# Altium PCB STM PCB.PcbDoc (part 1 of 3) (continued)
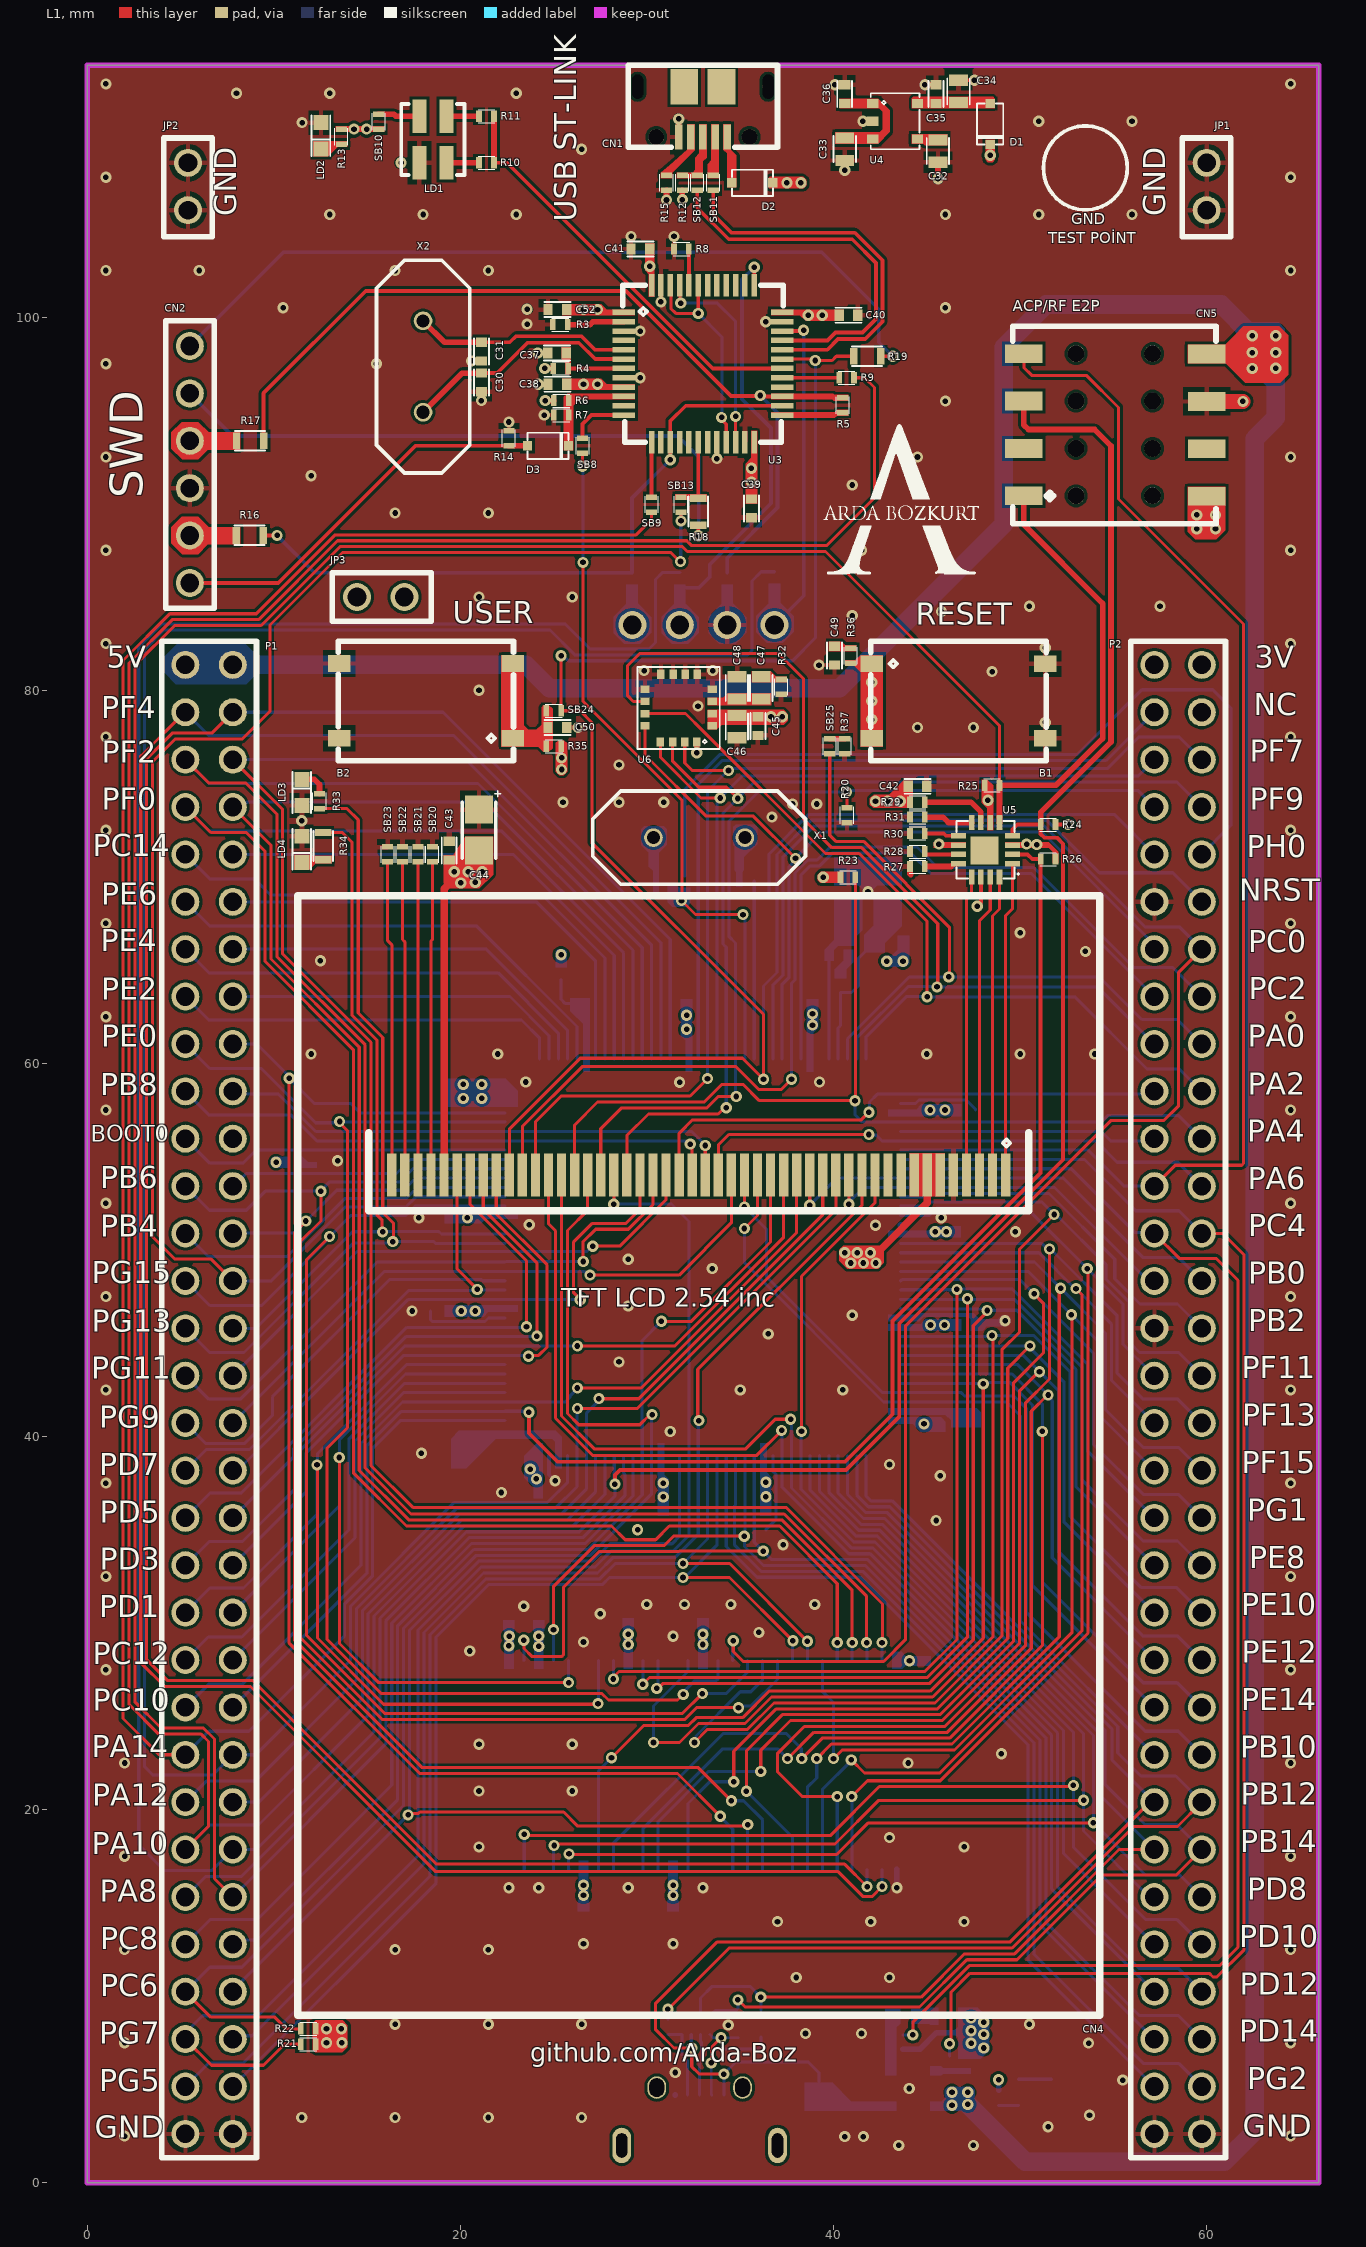
[diagram p0: L1 view]
## Classes and differential pairs
component class USB: C51 CN6 LD5 LD6 R38 R39 R40 R41 R42 R43 R44 SB26 SB27 SB28 T1 U7 U8
component class ST-LINK: C30 C31 C32 C33 C34 C35 C36 C37 C38 C39 C40 C41 C52 CN1 CN2 CN3 D1 D2 D3 HW1 HW2 HW3 HW4 HW5 JP1 JP2 JP3 LD1 LD2 R3 R4 R5 R6 R7 R8 R9 R10 R11 R12 R13 R14 R15 R16 R17 R18 R19 SB8 SB9 SB10 SB11 SB12 SB13 SB15 SB16 SB18 SB19 U3 U4 X2
component class MEMS: B1 B2 C45 C46 C47 C48 C49 C50 LD3 LD4 R32 R33 R34 R35 R36 R37 SB24 SB25 U6
component class MCU: C1 C2 C3 C4 C5 C6 C7 C8 C9 C10 C11 C12 C13 C14 C15 C16 C17 C18 C19 C20 C21 C22 L1 R1 R2 SB1 SB2 SB3 SB4 SB5 SB6 SB7 U1 X1
component class LCD: C42 C43 C44 CN4 R20 R21 R22 R23 R24 R25 R26 R27 R28 R29 R30 R31 SB20 SB21 SB22 SB23 U5
net class PH[0..2]: PH0 PH1 PH2
net class PG[0..15]: A10 A11 B3 B4 G3 PG2 PG3 PG4 PG5 PG6 PG7 PG8 PG9 PG13 PG14 PG15
net class PF[0..15]: A0 A1 A2 A3 A4 A5 A6 A7 A8 A9 PF6 PF7 PF8 PF9 PF10 PF11
net class PE[0..15]: D4 D5 D6 D7 D8 D9 D10 D11 D12 PE0 PE1 PE2 PE3 PE4 PE5 PE6
net class PD[0..15]: B2 D0 D1 D2 D3 D13 D14 D15 G7 PD2 PD4 PD5 PD7 PD11 PD12 PD13
net class PC[0..15]: G6 PC0 PC1 PC2 PC3 PC4 PC5 PC6 PC8 PC9 PC10 PC11 PC12 PC13 PC14 PC15
net class PB[0..15]: B6 B7 G4 G5 PB0 PB1 PB2 PB3 PB4 PB5 PB6 PB7 PB12 PB13 PB14 PB15
net class PA[0..15]: B5 G2 PA0 PA1 PA2 PA4 PA5 PA7 PA8 PA9 PA10 PA11 PA12 PA13 PA14 PA15
net class IM[0..3]: PD2 PD4 PD5 PD7
net class G[0..7]: G0 G1 G2 G3 G4 G5 G6 G7
net class D[0..15]: D0 D1 D2 D3 D4 D5 D6 D7 D8 D9 D10 D11 D12 D13 D14 D15
net class B[0..7]: B0 B1 B2 B3 B4 B5 B6 B7
net class A[0..11]: A0 A1 A2 A3 A4 A5 A6 A7 A8 A9 A10 A11
component class TOP: P1 P2
component class SDRAM: C23 C24 C25 C26 C27 C28 C29 U2

## Components (designator, comment, footprint, x,y, rotation, side; value= is the part's Value field where it differs from the comment)
B1 "KSC721G LFS" BLUE_BUTTON 46.7,79.425 r0 top
B2 "KSC321GLFS" BLACK_BUTTOM 18.15,79.43 r180 top
C1 "TAJA105K016RNJ" CAP-TANT 42.9,69.2 r270 bottom value=1uF
C2 "CC0402KRX7R7BB104" CAP-0402 40.375,64.3 r270 bottom value=100nF
C3 "TAJA105K016RNJ" CAP-TANT 40.8,69.2 r90 bottom value=1uF
C4 "CC0402KRX7R7BB104" CAP-0402 40.275,65.8 r0 bottom value=100nF
C5 "CC0402JRNPO9BN200" CAP-0402 30.85,70.85 r0 bottom value=20pF
C6 "CC0402KRX7R7BB104" CAP-0402 18.9,58.875 r0 bottom value=100nF
C7 "CC0402KRX7R7BB104" CAP-0402 18.9,57.975 r0 bottom value=100nF
C8 "CC0402KRX7R7BB104" CAP-0402 23.675,37 r0 bottom value=100nF
C9 "CC0402KRX7R7BB104" CAP-0402 30.875,35.5 r90 bottom value=100nF
C10 "CC0402KRX7R7BB104" CAP-0402 45.7,40 r90 bottom value=100nF
C11 "CC0402KRX7R7BB104" CAP-0402 47.075,50.975 r180 bottom value=100nF
C12 "CC0402KRX7R7BB104" CAP-0402 32.125,63.7 r270 bottom value=100nF
C13 "CC0402KRX7R7BB104" CAP-0402 47.1,57.5 r180 bottom value=100nF
C14 "CC0402KRX7R7BB104" CAP-0402 18.9,51.725 r0 bottom value=100nF
C15 "CC0402KRX7R7BB104" CAP-0402 18.9,46.725 r0 bottom value=100nF
C16 "CC0402KRX7R7BB104" CAP-0402 36.375,35.5 r90 bottom value=100nF
C17 "CC0402KRX7R7BB104" CAP-0402 47.1,45.975 r180 bottom value=100nF
C18 "CC0402KRX7R7BB104" CAP-0402 38.875,63.7 r270 bottom value=100nF
C19 "CC0402JRNPO9BN200" CAP-0402 35.45,70.65 r0 bottom value=20pF
C20 "CC0603KRX5R8BB105" CAP-0603 26.4,63.8 r270 bottom value=1uF
C21 "CC1206KKX7R7BB225" CAP-1206 47.1,39.4 r90 bottom value=2.2uF
C22 "CC1206KKX7R7BB225" CAP-1206 18.425,39.1 r0 bottom value=2.2uF
C23 "CC0402KRX7R7BB104" CAP-0402 31.4,14.3 r90 bottom value=100nF
C24 "CC0402KRX7R7BB104" CAP-0402 26.6,14.3 r90 bottom value=100nF
C25 "CC0402KRX7R7BB104" CAP-0402 44.9,27.475 r90 bottom value=100nF
C26 "CC0402KRX7R7BB104" CAP-0402 29,30.5 r270 bottom value=100nF
C27 "CC0402KRX7R7BB104" CAP-0402 33,30.5 r270 bottom value=100nF
C28 "CC0402KRX7R7BB104" CAP-0402 24.2,30.4 r270 bottom value=100nF
C29 "CC0402KRX7R7BB104" CAP-0402 22.6,30.4 r270 bottom value=100nF
C30 "CC0402JRNPO9BN200" CAP-0402 21.125,96.5 r270 top value=20pF
C31 "CC0402JRNPO9BN200" CAP-0402 21.125,98.15 r270 top value=20pF
C32 "CC0603KRX7R9BB103" CAP-0603 45.6,108.9 r270 top value=10nF
C33 "CC0603KRX5R8BB105" CAP-0603 40.6,109 r90 top value=1uF
C34 "CC0603KRX5R8BB105" CAP-0603 46.7,112.1 r270 top value=1uF
C35 "CC0402KRX7R7BB104" CAP-0402 45.5,111.95 r270 top value=100nF
C36 "CC0402KRX7R7BB104" CAP-0402 40.6,111.95 r270 top value=100nF
C37 "CC0402KRX7R7BB104" CAP-0402 25.175,98.075 r0 top value=100nF
C38 "CC0402KRX7R7BB104" CAP-0402 25.2,96.4 r0 top value=100nF
C39 "CC0402KRX7R7BB104" CAP-0402 35.6,89.75 r90 top value=100nF
C40 "CC0402KRX7R7BB104" CAP-0402 40.8,100.1 r180 top value=100nF
C41 "CC0402KRX7R7BB104" CAP-0402 29.65,103.65 r0 top value=100nF
C42 "CC0402KRX7R7BB104" CAP-0402 44.5,74.85 r180 top value=100nF
C43 "CC0402KRX7R7BB104" CAP-0402 19.4,71.4 r270 top value=100nF
C44 "TCJK475M010R0300" CAP-TANT 21,72.5 r270 top value=4.7uF
C45 "CC0402KRX7R7BB104" CAP-0402 35.95,78.075 r90 top value=100nF
C46 "CL10A106KP8NNNC" CAP-0603 34.825,78.05 r90 top value=10uF
C47 "CC0603KRX7R7BB474" CAP-0603 36.125,80.125 r270 top value=470nF
C48 "CL10A106KP8NNNC" CAP-0603 34.825,80.125 r270 top value=10uF
C49 "CC0402KRX7R7BB104" CAP-0402 40.05,81.85 r90 top value=100nF
C50 "CC0402KRX7R7BB104" CAP-0402 25.2,78 r180 top value=100nF
C51 "TCJK475M010R0300" CAP-TANT 39.225,3.5 r270 bottom value=4.7uF
C52 "CC0402KRX7R7BB104" CAP-0402 25.2,100.4 r0 top value=100nF
CN1 "1050170001" "USB MİCRO B" 33,111 r180 top
CN2 "TS-106-G-A" CONN-6POS 5.5,92.1 r90 top
CN3 "61300411121" CONN-4POS 33.03,83.5 r0 bottom
CN4 "FRD240C48003-B" "LED 2.54 INCH" 32.775,54.025 r180 top
CN5 "SSM-104-L-DH" CONN-2*8 55.1,94.22 r90 top
CN6 "0475900001" "USB MİCRO A" 32.825,3.55 r180 bottom
D1 "BAT60JFILM" SOD-323 48.4,110.35 r90 top
D2 "BAT60JFILM" SOD-323 35.65,107.2 r180 top
D3 "BAT60JFILM" SOD-323 24.7,93.1 r180 top
HW1 "MNT-101-BK-G" SHUNT -9,8 r90 top
HW2 "MNT-101-BK-G" SHUNT -6.2,8 r90 top
HW3 "MNT-101-BK-G" SHUNT -3.4,8 r90 top
HW4 "MNT-101-BK-G" SHUNT -7.5,2.4 r90 top
HW5 "MNT-101-BK-G" SHUNT -4.7,2.4 r90 top
JP1 "61300211121" CONN-2PİNS 60,107 r90 top
JP2 "61300211121" CONN-2PİNS 5.4,107 r90 top
JP3 "61300211121" CONN-2PİNS 15.73,85 r180 top
L1 "FCM 1608KF-301T05" FB-0603 43.1,66.4 r180 bottom
LD1 "67-22SURSYGC/S530-A2/TR8" LED-RED-GREEN-SMD 18.525,109.52 r270 top
LD2 "150060RS75000" LED-RED-0603 12.525,109.72 r90 top
LD3 "150060VS75000" LED-GREEN-0603 11.5,74.525 r270 top
LD4 "150060RS75000" LED-RED-0603 11.5,71.475 r90 top
LD5 "150060RS75000" LED-RED-0603 43.875,8.925 r180 bottom
LD6 "150060VS75000" LED-GREEN-0603 49.925,4.85 r90 bottom
P1 "TSW-132-24-T-D" CONN-2*32POS 6.53,41.99 r270 top
P2 "TSW-132-24-T-D" CONN-2*32POS 58.47,41.99 r270 top
R1 "RC0402FR-07510KL" RES-0402 12.025,54.95 r90 bottom value=510kR
R2 "RC0402FR-07220RL" RES-0402 35.35,69.775 r180 bottom value=220R
R3 "RC0402FR-0710KL" RES-0402 25.35,99.6 r0 top value=10kR
R4 "RC0402FR-07100KL" RES-0402 25.375,97.25 r180 top value=100kR
R5 "RC0402FR-07100RL" RES-0402 40.5,95.275 r270 top value=100R
R6 "RC0402FR-074K7L" RES-0402 25.4,95.525 r0 top value=4.7kR
R7 "RC0402FR-074K7L" RES-0402 25.4,94.75 r0 top value=4.7kR
R8 "RC0402FR-07100KL" RES-0402 31.85,103.65 r180 top value=100kR
R9 "RC0402FR-07100RL" RES-0402 40.7,96.75 r0 top value=100R
R10 "RC0402FR-07100RL" RES-0402 21.4,108.27 r180 top value=100R
R11 "RC0402FR-07100RL" RES-0402 21.4,110.77 r180 top value=100R
R12 "RC0402FR-071K5L" RES-0402 31.9,107.2 r270 top value=1.5kR
R13 "RC0402FR-071KL" RES-0402 13.625,109.67 r90 top value=1kR
R14 "RC0402FR-0710KL" RES-0402 22.6,93.5 r90 top value=10kR
R15 "RC0402FR-07100KL" RES-0402 31.05,107.2 r270 top value=100kR
R16 "RC0603FR-0722RL" RES-0603 8.7,88.3 r0 top value=22R
R17 "RC0603FR-0722RL" RES-0603 8.725,93.37 r0 top value=22R
R18 "RC0603FR-0722RL" RES-0603 32.75,89.575 r90 top value=22R
R19 "RC0603FR-0722RL" RES-0603 41.8,97.9 r180 top value=22R
R20 "RC0402FR-074K7L" RES-0402 40.725,73.3 r90 top value=4.7kR
R21 "RC0402FR-074K7L" RES-0402 11.85,7.425 r180 top value=4.7kR
R22 "RC0402FR-074K7L" RES-0402 11.85,8.25 r180 top value=4.7kR
R23 "RC0402FR-074K7L" RES-0402 40.775,69.975 r0 top value=4.7kR
R24 "RC0402FR-074K7L" RES-0402 51.5,72.8 r0 top value=4.7kR
R25 "RC0402FR-074K7L" RES-0402 48.5,74.9 r180 top value=4.7kR
R26 "RC0402FR-074K7L" RES-0402 51.5,70.95 r0 top value=4.7kR
R27 "RC0402FR-07100KL" RES-0402 44.5,70.55 r180 top value=100kR
R28 "RC0402FR-07100KL" RES-0402 44.5,71.35 r180 top value=100kR
R29 "RC0402FR-074K7L" RES-0402 44.5,74 r0 top value=4.7kR
R30 "RC0402FR-07100KL" RES-0402 44.5,72.325 r180 top value=100kR
R31 "RC0402FR-07100KL" RES-0402 44.5,73.2 r180 top value=100kR
R32 "RC0402FR-0710KL" RES-0402 37.2,80.175 r90 top value=10kR
R33 "RC0402FR-07510KL" RES-0402 12.45,74.05 r90 top value=510R
R34 "RC0603FR-07680RL" RES-0603 12.65,71.65 r270 top value=680R
R35 "RC0402FR-07100KL" RES-0402 25,77 r0 top value=100kR
R36 "RC0402FR-07100RL" RES-0402 40.925,81.85 r270 top value=100R
R37 "RC0402FR-07330RL" RES-0402 40.6,77 r270 top value=330R
R38 "RC0603FR-07620RL" RES-0603 46.15,8.925 r0 bottom value=620R
R39 "RC0402FR-0710KL" RES-0402 47.05,6.4 r90 bottom value=10kR
R40 "RC0402FR-0747KL" RES-0402 43.325,7.15 r0 bottom value=47kR
R41 "RC0603FR-0722RL" RES-0603 34.875,8.5 r270 bottom value=22R
R42 "RC0603FR-0722RL" RES-0603 36.125,8.525 r270 bottom value=22R
R43 "RC0402FR-07330RL" RES-0402 48.85,4.55 r90 bottom value=330R
R44 "RC0402FR-0747KL" RES-0402 41.6,3.6 r90 bottom value=47kR
SB1 "RC0402JR-070RL" RES-0402 11,54.7 r0 bottom value=0mR
SB2 "RC0402JR-070RL" RES-0402 12.8,54.95 r90 bottom value=0mR
SB3 "RC0402JR-070RL" RES-0402 41.4,66.6 r0 bottom value=0mR
SB4 "RC0402JR-070RL" RES-0402 32.025,69.65 r270 bottom value=0mR
SB5 "RC0402JR-070RL" RES-0402 30.875,69.25 r180 bottom value=0mR
SB6 "RC0402JR-070RL" RES-0402 25.4,64.9 r90 bottom value=0mR
SB7 "RC0402JR-070RL" RES-0402 36.15,69 r180 bottom value=0mR
SB8 "RC0402JR-070RL" RES-0402 26.55,93.1 r270 top value=0mR
SB9 "RC0402JR-070RL" RES-0402 30.25,89.95 r270 top value=0mR
SB10 "RC0402JR-070RL" RES-0402 15.625,110.47 r270 top value=0mR
SB11 "RC0402JR-070RL" RES-0402 33.55,107.2 r270 top value=0mR
SB12 "RC0402JR-070RL" RES-0402 32.7,107.2 r270 top value=0mR
SB13 "RC0402JR-070RL" RES-0402 31.825,89.95 r270 top value=0mR
SB15 "RC0402JR-070RL" RES-0402 29.2,85.9 r270 bottom value=0mR
SB16 "RC0402JR-070RL" RES-0402 31.76,85.9 r270 bottom value=0mR
SB18 "RC0402JR-070RL" RES-0402 34.3,85.9 r270 bottom value=0mR
SB19 "RC0402JR-070RL" RES-0402 36.84,85.95 r270 bottom value=0mR
SB20 "RC0402JR-070RL" RES-0402 18.5,71.2 r270 top value=0mR
SB21 "RC0402JR-070RL" RES-0402 17.725,71.2 r270 top value=0mR
SB22 "RC0402JR-070RL" RES-0402 16.9,71.2 r270 top value=0mR
SB23 "RC0402JR-070RL" RES-0402 16.1,71.2 r270 top value=0mR
SB24 "RC0402JR-070RL" RES-0402 25,78.9 r180 top value=0mR
SB25 "RC0402JR-070RL" RES-0402 39.8,77 r90 top value=0mR
SB26 "RC0402JR-070RL" RES-0402 43.325,7.925 r0 bottom value=0mR
SB27 "RC0402JR-070RL" RES-0402 46.225,6.4 r270 bottom value=0mR
SB28 "RC0402JR-070RL" RES-0402 31.125,8.35 r270 bottom value=0mR
T1 "MMBT2222ALT1G" SOT23-3 52.675,5.55 r270 bottom
U1 "STM32F429ZIT6" LQFP-144 33,49.6 r0 bottom
U2 "IS42S16400J-7TL" 54-TSOP 33,22.4 r270 bottom
U3 "STM32F103CBT6" LQFP-48 33,97.5 r270 top
U4 "LD3985M33R" SOT23-5L 43.3,110.5 r270 top
U5 "STMPE811QTR" QFN16 48.1,71.4 r90 top
U6 "I3G4250DTR" LGA-16 31.7,79.038 r270 top
U7 "STMPS2141STR" SOT23-5L 44.275,5.05 r90 bottom value=120mR
U8 "EMIF02-USB03F2" FLIP-CHIP-11 32.625,8.45 r270 bottom
X1 "H1OED8K5SC-112YXC-8M" HC-49US 32.8,72.1 r180 top
X2 "H1OED8K5SC-112YXC-8M" HC-49US 18,97.35 r90 top

## Footprints (in the part's own frame and the unit in brackets; to place one, negate y for a bottom-side part, rotate by r counter-clockwise, add the part's x,y. Pads: shape width x height; smd on the part's side, far side on the other; paste and mask are expansions set on the pad)
54-TSOP [mm]
  rect 0.9x0.5 smd mask+0.005: 1(-5.6,10.4) 1(-5.6,10.4) 2(-5.6,9.6) 3(-5.6,8.8) 4(-5.6,8) 5(-5.6,7.2) 6(-5.6,6.4) 7(-5.6,5.6) 8(-5.6,4.8) 9(-5.6,4) 10(-5.6,3.2) 11(-5.6,2.4) 12(-5.6,1.6) 13(-5.6,0.8) 14(-5.6,0) 15(-5.6,-0.8) 16(-5.6,-1.6) 17(-5.6,-2.4) 18(-5.6,-3.2) 19(-5.6,-4) 20(-5.6,-4.8) 21(-5.6,-5.6) 22(-5.6,-6.4) 23(-5.6,-7.2) 24(-5.6,-8) 25(-5.6,-8.8) 26(-5.6,-9.6) 27(-5.6,-10.4) 28(5.6,-10.4) 28(5.6,-10.4) 29(5.6,-9.6) 30(5.6,-8.8) 31(5.6,-8) 32(5.6,-7.2) 33(5.6,-6.4) 34(5.6,-5.6) 35(5.6,-4.8) 36(5.6,-4) 37(5.6,-3.2) 38(5.6,-2.4) 39(5.6,-1.6) 40(5.6,-0.8) 41(5.6,0) 42(5.6,0.8) 43(5.6,1.6) 44(5.6,2.4) 45(5.6,3.2) 46(5.6,4) 47(5.6,4.8) 48(5.6,5.6) 49(5.6,6.4) 50(5.6,7.2) 51(5.6,8) 52(5.6,8.8) 53(5.6,9.6) 54(5.6,10.4)
  silkscreen extent -5.8,-11.3 5.8,11.3, body extent -5.88,-11.11 5.88,11.11, height 1.2
BLACK_BUTTOM [mm]
  rect 1.2x0.9 smd mask+0.005: 1(-4.65,2) 2(4.65,2) 3(4.65,-2) 4(-4.65,-2)
  silkscreen extent -4.7,-3.2 4.71,3.2, body extent -5.02,-3.15 4.97,3.15, height 3.46
BLUE_BUTTON [mm]
  rect 1.2x0.9 smd mask+0.005: 1(-4.65,2) 2(4.65,2) 3(4.65,-2) 4(-4.65,-2)
  silkscreen extent -4.7,-3.2 4.71,3.2, body extent -5,-3.15 5,3.15, height 4.4
CAP-0402 [mm]
  rect 0.5x0.6 smd mask+0.005: 1(-0.5,0) 2(0.5,0)
  silkscreen extent -0.7,-0.4 0.7,0.4, body extent -0.5,-0.25 0.5,0.25, height 0.55
CAP-0603 [mm]
  rect 0.6x1 smd mask+0.005: 1(-0.6,0) 2(0.6,0)
  silkscreen extent -0.7,-0.6 0.7,0.6, body extent -0.8,-0.4 0.8,0.4, height 0.9
CAP-1206 [mm]
  rect 0.8x1.6 smd mask+0.005: 1(-1.5,0) 2(1.5,0)
  silkscreen extent -1.5,-0.9 1.5,0.9, body extent -1.6,-0.8 1.6,0.8, height 1.45
CAP-TANT [mm]
  rect 1.5x1.5 smd mask+0.005: 1(-1.1,0) 2(1.1,0)
  silkscreen extent -2.1,-0.9 1.51,1.15, body extent -1.7,-0.9 1.7,0.9, height 1.85
CONN-2*8 [mm]
  round 0.9 hole 0.9 mask+0.005: 0(-3.8,-2) 0(-3.8,2.1) 0(-1.26,2.1) 0(-1.26,-2) 0(1.28,2.1) 0(1.28,-2) 0(3.82,-2) 0(3.82,2.1)
  rect 1x2 smd mask+0.005: 1(-3.8,4.9) 2(-1.26,4.9) 3(1.28,4.9) 4(3.82,4.9) 5(-3.82,-4.9) 6(-1.28,-4.9) 7(1.26,-4.9) 8(3.8,-4.9)
  silkscreen extent -5.3,-5.4 5.3,5.5, body extent -5.08,-5.43 5.08,5.5, height 5.77
CONN-2*32POS [mm]
  round 1.5 hole 1 mask+0.005: 1(-39.37,-1.27) 2(-39.37,1.27) 3(-36.83,-1.27) 4(-36.83,1.27) 5(-34.29,-1.27) 6(-34.29,1.27) 7(-31.75,-1.27) 8(-31.75,1.27) 9(-29.21,-1.27) 10(-29.21,1.27) 11(-26.67,-1.27) 12(-26.67,1.27) 13(-24.13,-1.27) 14(-24.13,1.27) 15(-21.59,-1.27) 16(-21.59,1.27) 17(-19.05,-1.27) 18(-19.05,1.27) 19(-16.51,-1.27) 20(-16.51,1.27) 21(-13.97,-1.27) 22(-13.97,1.27) 23(-11.43,-1.27) 24(-11.43,1.27) 25(-8.89,-1.27) 26(-8.89,1.27) 27(-6.35,-1.27) 28(-6.35,1.27) 29(-3.81,-1.27) 30(-3.81,1.27) 31(-1.27,-1.27) 32(-1.27,1.27) 33(1.27,-1.27) 34(1.27,1.27) 35(3.81,-1.27) 36(3.81,1.27) 37(6.35,-1.27) 38(6.35,1.27) 39(8.89,-1.27) 40(8.89,1.27) 41(11.43,-1.27) 42(11.43,1.27) 43(13.97,-1.27) 44(13.97,1.27) 45(16.51,-1.27) 46(16.51,1.27) 47(19.05,-1.27) 48(19.05,1.27) 49(21.59,-1.27) 50(21.59,1.27) 51(24.13,-1.27) 52(24.13,1.27) 53(26.67,-1.27) 54(26.67,1.27) 55(29.21,-1.27) 56(29.21,1.27) 57(31.75,-1.27) 58(31.75,1.27) 59(34.29,-1.27) 60(34.29,1.27) 61(36.83,-1.27) 62(36.83,1.27) 63(39.37,-1.27) 64(39.37,1.27)
  silkscreen extent -40.64,-2.54 40.64,2.54, body extent -40.64,-2.54 40.64,2.54, height 9.27
CONN-2PİNS [mm]
  round 1.5 hole 1 mask+0.005: 1(-1.27,0) 2(1.27,0)
  silkscreen extent -2.7,-1.3 2.6,1.3, body extent -2.67,-1.27 2.54,1.27, height 8.38
CONN-4POS [mm]
  round 1.5 hole 1 mask+0.005: 1(-3.81,0) 2(-1.27,0) 3(1.27,0) 4(3.81,0)
  silkscreen extent -5.1,-1.3 5.1,1.3, body extent -5.08,-1.27 5.08,1.27, height 9.27
CONN-6POS [mm]
  round 1.5 hole 1 mask+0.005: 1(-6.35,0) 2(-3.81,0) 3(-1.27,0) 4(1.27,0) 5(3.81,0) 6(6.35,0)
  silkscreen extent -7.7,-1.3 7.7,1.3, body extent -7.72,-1.27 7.72,1.27, height 9.28
FB-0603 [mm]
  rect 0.6x0.9 smd mask+0.005: 1(-0.65,0) 2(0.65,0)
  silkscreen extent -0.8,-0.53 0.8,0.53, body extent -0.8,-0.4 0.8,0.4, height 0.8
FLIP-CHIP-11 [mm]
  round 0.25 smd mask+0.005: A2(0,0.75) A3(0.5,0.75) B1(-0.5,0.25) B2(0,0.25) B3(0.5,0.25) C1(-0.5,-0.25) C2(0,-0.25) C3(0.5,-0.25) D1(-0.5,-0.75) D2(0,-0.75) D3(0.5,-0.75)
  silkscreen extent -0.78,-1.02 0.77,1.02, body extent -0.72,-0.97 0.72,0.97, height 0.65
HC-49US [mm]
  round 1 hole 0.7 mask+0.005: 1(-2.45,0) 2(2.45,0)
  silkscreen extent -5.7,-2.5 5.7,2.5, body extent -5.68,-2.32 5.68,2.32, height 4.1
"LED 2.54 INCH" [mm]
  rect 0.5x2.3 smd mask+0.005: 1(-16.45,0) 1(-16.45,0) 2(-15.75,0) 3(-15.05,0) 4(-14.35,0) 5(-13.65,0) 6(-12.95,0) 7(-12.25,0) 8(-11.55,0) 9(-10.85,0) 10(-10.15,0) 11(-9.45,0) 12(-8.75,0) 13(-8.05,0) 14(-7.35,0) 15(-6.65,0) 16(-5.95,0) 17(-5.25,0) 18(-4.55,0) 19(-3.85,0) 20(-3.15,0) 21(-2.45,0) 22(-1.75,0) 23(-1.05,0) 24(-0.35,0) 25(0.35,0) 26(1.05,0) 27(1.75,0) 28(2.45,0) 29(3.15,0) 30(3.85,0) 31(4.55,0) 32(5.25,0) 33(5.95,0) 34(6.65,0) 35(7.35,0) 36(8.05,0) 37(8.75,0) 38(9.45,0) 39(10.15,0) 40(10.85,0) 41(11.55,0) 42(12.25,0) 43(12.95,0) 44(13.65,0) 45(14.35,0) 46(15.05,0) 47(15.75,0) 48(16.45,0)
  silkscreen extent -21.5,-14.95 21.5,45.05, body extent -21.5,-15.4 21.5,45.05, height 3.55
LED-GREEN-0603 [mm]
  rect 0.8x0.8 smd mask+0.005: 1(-0.7,0) 2(0.7,0)
  silkscreen extent -1.1,-0.5 1.1,0.5, body extent -0.8,-0.4 0.8,0.4, height 0.8
LED-RED-0603 [mm]
  rect 0.8x0.8 smd mask+0.005: 1(-0.7,0) 2(0.7,0)
  silkscreen extent -1.1,-0.5 1.1,0.5, body extent -0.85,-0.45 0.85,0.45, height 0.9
LED-RED-GREEN-SMD [mm]
  rect 1.8x0.75 smd mask+0.005: 1(1.25,-0.725) 2(1.25,0.725) 3(-1.25,0.725) 4(-1.25,-0.725)
  silkscreen extent -1.9,-1.7 1.9,1.7, body extent -1.75,-1.4 1.75,1.4, height 1.95
LGA-16 [mm]
  rect 0.5x0.4 smd mask+0.005: 1(1.813,0.975) 2(1.813,0.325) 3(1.813,-0.325) 4(1.813,-0.975) 9(-1.813,-0.95) 10(-1.813,-0.3) 11(-1.813,0.35) 12(-1.813,1)
  rect 0.4x0.5 smd mask+0.005: 5(0.937,-1.8) 6(0.288,-1.8) 7(-0.363,-1.8) 8(-1.012,-1.8) 13(-1.012,1.8) 14(-0.363,1.8) 15(0.288,1.8) 16(0.937,1.8)
  silkscreen extent -2.21,-2.2 2.19,2.2, body extent -2.08,-2.07 2.06,2.07, height 0.99
LQFP-48 [mm]
  rect 0.3x1.2 smd mask+0.005: 1(-2.75,-4.25) 2(-2.25,-4.25) 3(-1.75,-4.25) 4(-1.25,-4.25) 5(-0.75,-4.25) 6(-0.25,-4.25) 7(0.25,-4.25) 8(0.75,-4.25) 9(1.25,-4.25) 10(1.75,-4.25) 11(2.25,-4.25) 12(2.75,-4.25) 25(2.75,4.25) 26(2.25,4.25) 27(1.75,4.25) 28(1.25,4.25) 29(0.75,4.25) 30(0.25,4.25) 31(-0.25,4.25) 32(-0.75,4.25) 33(-1.25,4.25) 34(-1.75,4.25) 35(-2.25,4.25) 36(-2.75,4.25)
  rect 1.2x0.3 smd mask+0.005: 13(4.2,-2.75) 14(4.2,-2.25) 15(4.2,-1.75) 16(4.2,-1.25) 17(4.2,-0.75) 18(4.2,-0.25) 19(4.2,0.25) 20(4.2,0.75) 21(4.2,1.25) 22(4.2,1.75) 23(4.2,2.25) 24(4.2,2.75) 37(-4.2,2.75) 38(-4.2,2.25) 39(-4.2,1.75) 40(-4.2,1.25) 41(-4.2,0.75) 42(-4.2,0.25) 43(-4.2,-0.25) 44(-4.2,-0.75) 45(-4.2,-1.25) 46(-4.2,-1.75) 47(-4.2,-2.25) 48(-4.2,-2.75)
  silkscreen extent -4.2,-4.3 4.2,4.3, body extent -4.51,-4.51 4.51,4.51, height 1.6
LQFP-144 [mm]
  rect 0.35x1.35 smd mask+0.005: 1(-8.75,-10.625) 1(-8.75,-10.625) 2(-8.25,-10.625) 3(-7.75,-10.625) 4(-7.25,-10.625) 5(-6.75,-10.625) 6(-6.25,-10.625) 7(-5.75,-10.625) 8(-5.25,-10.625) 9(-4.75,-10.625) 10(-4.25,-10.625) 11(-3.75,-10.625) 12(-3.25,-10.625) 13(-2.75,-10.625) 14(-2.25,-10.625) 15(-1.75,-10.625) 16(-1.25,-10.625) 17(-0.75,-10.625) 18(-0.25,-10.625) 19(0.25,-10.625) 20(0.75,-10.625) 21(1.25,-10.625) 22(1.75,-10.625) 23(2.25,-10.625) 24(2.75,-10.625) 25(3.25,-10.625) 26(3.75,-10.625) 27(4.25,-10.625) 28(4.75,-10.625) 29(5.25,-10.625) 30(5.75,-10.625) 31(6.25,-10.625) 32(6.75,-10.625) 33(7.25,-10.625) 34(7.75,-10.625) 35(8.25,-10.625) 36(8.75,-10.625) 73(8.75,10.625) 73(8.75,10.625) 74(8.25,10.625) 75(7.75,10.625) 76(7.25,10.625) 77(6.75,10.625) 78(6.25,10.625) 79(5.75,10.625) 80(5.25,10.625) 81(4.75,10.625) 82(4.25,10.625) 83(3.75,10.625) 84(3.25,10.625) 85(2.75,10.625) 86(2.25,10.625) 87(1.75,10.625) 88(1.25,10.625) 89(0.75,10.625) 90(0.25,10.625) 91(-0.25,10.625) 92(-0.75,10.625) 93(-1.25,10.625) 94(-1.75,10.625) 95(-2.25,10.625) 96(-2.75,10.625) 97(-3.25,10.625) 98(-3.75,10.625) 99(-4.25,10.625) 100(-4.75,10.625) 101(-5.25,10.625) 102(-5.75,10.625) 103(-6.25,10.625) 104(-6.75,10.625) 105(-7.25,10.625) 106(-7.75,10.625) 107(-8.25,10.625) 108(-8.75,10.625)
  rect 1.35x0.35 smd mask+0.005: 37(10.6,-8.75) 37(10.6,-8.75) 38(10.6,-8.25) 39(10.6,-7.75) 40(10.6,-7.25) 41(10.6,-6.75) 42(10.6,-6.25) 43(10.6,-5.75) 44(10.6,-5.25) 45(10.6,-4.75) 46(10.6,-4.25) 47(10.6,-3.75) 48(10.6,-3.25) 49(10.6,-2.75) 50(10.6,-2.25) 51(10.6,-1.75) 52(10.6,-1.25) 53(10.6,-0.75) 54(10.6,-0.25) 55(10.6,0.25) 56(10.6,0.75) 57(10.6,1.25) 58(10.6,1.75) 59(10.6,2.25) 60(10.6,2.75) 61(10.6,3.25) 62(10.6,3.75) 63(10.6,4.25) 64(10.6,4.75) 65(10.6,5.25) 66(10.6,5.75) 67(10.6,6.25) 68(10.6,6.75) 69(10.6,7.25) 70(10.6,7.75) 71(10.6,8.25) 72(10.6,8.75) 109(-10.6,8.75) 109(-10.6,8.75) 110(-10.6,8.25) 111(-10.6,7.75) 112(-10.6,7.25) 113(-10.6,6.75) 114(-10.6,6.25) 115(-10.6,5.75) 116(-10.6,5.25) 117(-10.6,4.75) 118(-10.6,4.25) 119(-10.6,3.75) 120(-10.6,3.25) 121(-10.6,2.75) 122(-10.6,2.25) 123(-10.6,1.75) 124(-10.6,1.25) 125(-10.6,0.75) 126(-10.6,0.25) 127(-10.6,-0.25) 128(-10.6,-0.75) 129(-10.6,-1.25) 130(-10.6,-1.75) 131(-10.6,-2.25) 132(-10.6,-2.75) 133(-10.6,-3.25) 134(-10.6,-3.75) 135(-10.6,-4.25) 136(-10.6,-4.75) 137(-10.6,-5.25) 138(-10.6,-5.75) 139(-10.6,-6.25) 140(-10.6,-6.75) 141(-10.6,-7.25) 142(-10.6,-7.75) 143(-10.6,-8.25) 144(-10.6,-8.75)
  silkscreen extent -10.3,-11.1 10.3,10.3, body extent -11,-11 11,11, height 2
QFN16 [mm]
  rect 1.5x1.5 smd mask+0.005: 0(0,0)
  rect 0.3x0.8 smd mask+0.005: 1(-0.7,-1.5) 2(-0.2,-1.5) 3(0.3,-1.5) 4(0.8,-1.5) 9(0.8,1.4) 10(0.3,1.4) 11(-0.2,1.4) 12(-0.7,1.4)
  rect 0.8x0.3 smd mask+0.005: 5(1.5,-0.8) 6(1.5,-0.3) 7(1.5,0.2) 8(1.5,0.7) 13(-1.4,0.7) 14(-1.4,0.2) 15(-1.4,-0.3) 16(-1.4,-0.8)
  silkscreen extent -1.5,-1.85 1.6,1.5, body extent -1.45,-1.55 1.55,1.45, height 0.8
RES-0402 [mm]
  rect 0.3x0.6 smd mask+0.005: 1(-0.4,0) 2(0.4,0)
  silkscreen extent -0.45,-0.35 0.45,0.35, body extent -0.5,-0.25 0.5,0.25, height 0.4
RES-0603 [mm]
  rect 0.4x0.9 smd mask+0.005: 1(-0.725,0) 2(0.725,0)
  silkscreen extent -0.8,-0.53 0.8,0.53, body extent -0.8,-0.4 0.8,0.4, height 0.55